# Altium PCB Archimajor.PcbDoc (part 6 of 12)
Units mm, origin at the board's own origin, x right, y up, seen from the top; angles counter-clockwise.
Board outline 190 x 140 mm, 6 copper layers (Top Layer, Top GND, Power Plane, Mid1, Bot GND, Bottom Layer), stack 1.776 mm thick; 1046 components, 682 nets, 3245 pads, 2865 vias.
Unrouted connection lines stored in the file: 97.
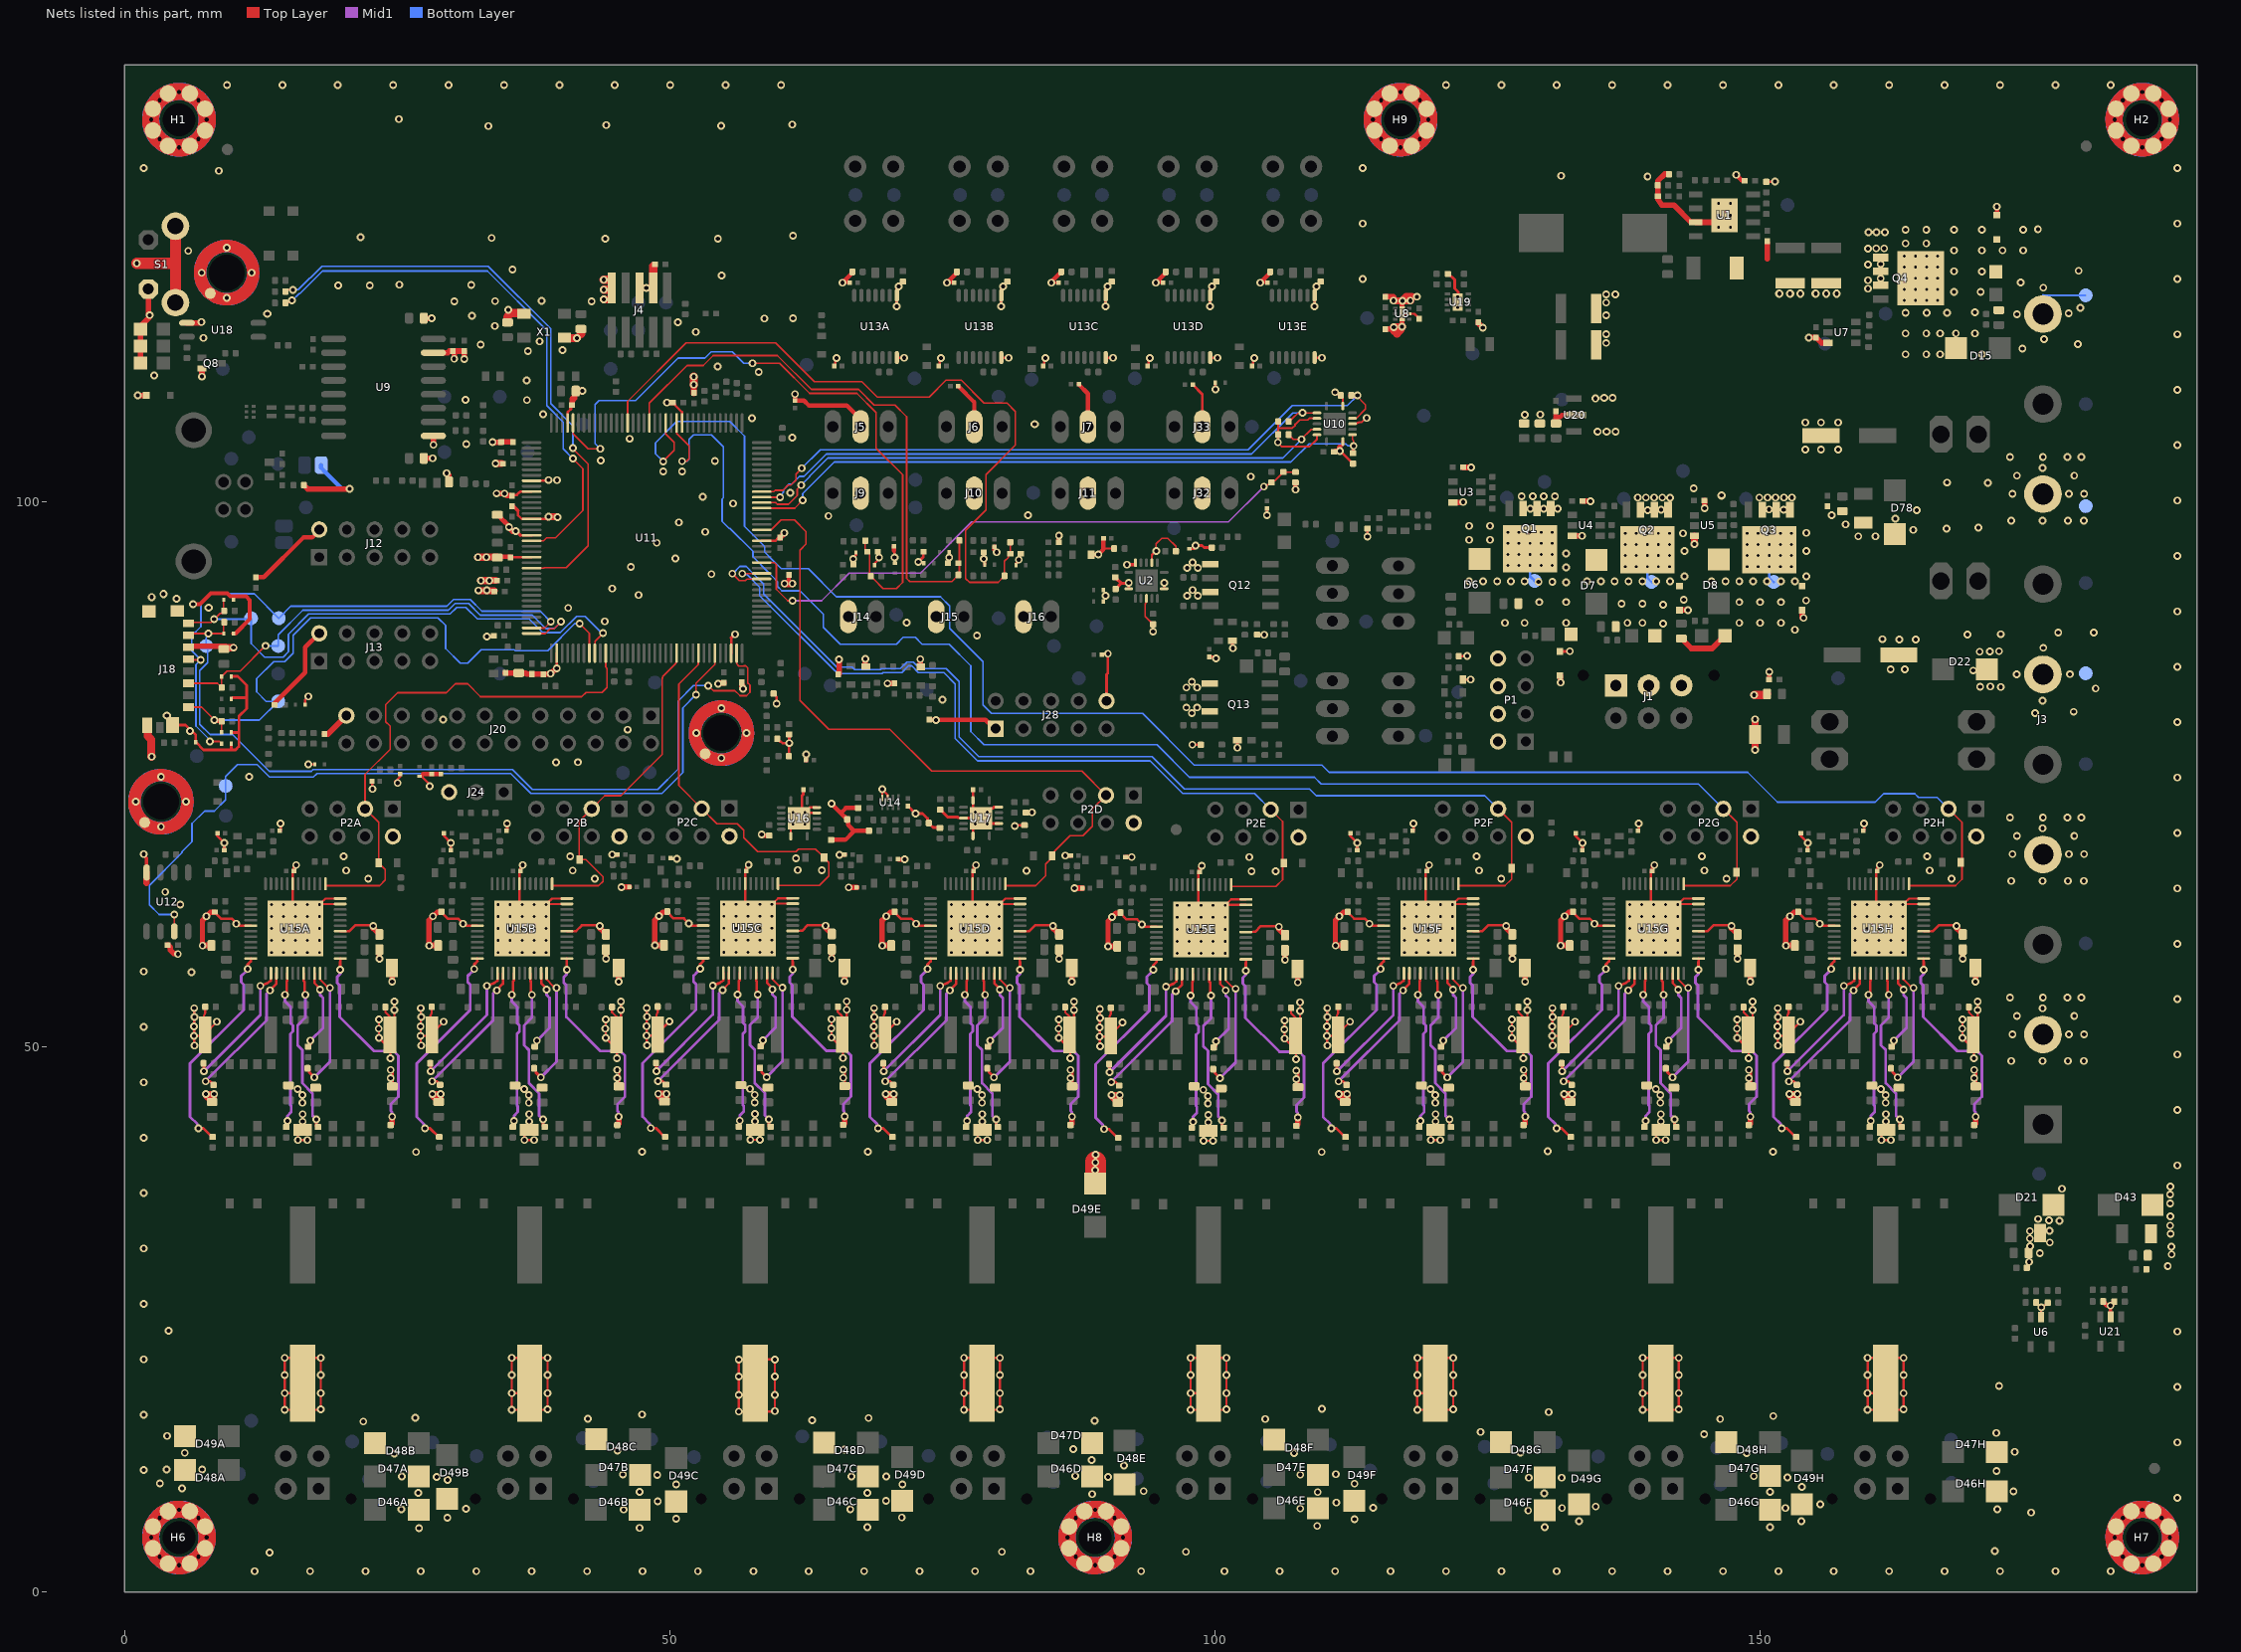
[diagram p10: the nets of this part, all layers, seen from the top]

## Via types
v1: diameter 0.711, hole 0.381, Top Layer to Bottom Layer, tented both sides, 2418 vias
v2: diameter 0.559, hole 0.254, Top Layer to Bottom Layer, 302 vias
v3: diameter 0.711, hole 0.381, Top Layer to Bottom Layer, 113 vias
v4: diameter 0.737, hole 0.381, Top Layer to Bottom Layer, tented both sides, 16 vias
v5: diameter 0.762, hole 0.381, Top Layer to Bottom Layer, 16 vias

## Nets (pads, with @x,y where several pads share a name; then routed paths per layer and width w, separated by ;. In a path a pad name is that pad's centre, name@x,y a point inside that pad or via, vN(x,y) a via of type N, cw(c..) or ccw(c..) an arc to the next point about the centre after c; other vN are vias at no path point) (continued)
GND: (continued)
  other v2: 96.515,58.56 97.615,58.56 98.715,58.56 99.815,58.56 100.915,58.56 13.482,58.635 14.582,58.635 15.682,58.635 16.782,58.635 17.882,58.635 34.257,58.635 35.357,58.635 36.457,58.635 37.557,58.635 38.657,58.635 75.807,58.635 76.907,58.635 78.007,58.635 79.107,58.635 80.207,58.635 117.357,58.635 118.457,58.635 119.557,58.635 120.657,58.635 121.757,58.635 138.008,58.635 139.108,58.635 140.208,58.635 141.308,58.635 142.408,58.635 158.658,58.635 159.758,58.635 160.858,58.635 161.958,58.635 163.058,58.635 54.965,58.66 56.065,58.66 57.165,58.66 58.265,58.66 59.365,58.66 96.515,59.66 97.615,59.66 98.715,59.66 99.815,59.66 100.915,59.66 13.482,59.735 14.582,59.735 15.682,59.735 16.782,59.735 17.882,59.735 34.257,59.735 35.357,59.735 36.457,59.735 37.557,59.735 38.657,59.735 75.807,59.735 76.907,59.735 78.007,59.735 79.107,59.735 80.207,59.735 117.357,59.735 118.457,59.735 119.557,59.735 120.657,59.735 121.757,59.735 138.008,59.735 139.108,59.735 140.208,59.735 141.308,59.735 142.408,59.735 158.658,59.735 159.758,59.735 160.858,59.735 161.958,59.735 163.058,59.735 54.965,59.76 56.065,59.76 57.165,59.76 58.265,59.76 59.365,59.76 96.515,60.76 97.615,60.76 99.815,60.76 100.915,60.76 13.482,60.835 14.582,60.835 16.782,60.835 17.882,60.835 34.257,60.835 35.357,60.835 37.557,60.835 38.657,60.835 75.807,60.835 76.907,60.835 79.107,60.835 80.207,60.835 117.357,60.835 118.457,60.835 120.657,60.835 121.757,60.835 138.008,60.835 139.108,60.835 141.308,60.835 142.408,60.835 158.658,60.835 159.758,60.835 161.958,60.835 163.058,60.835 54.965,60.86 56.065,60.86 58.265,60.86 59.365,60.86 96.515,61.86 97.615,61.86 98.715,61.86 99.815,61.86 100.915,61.86 13.482,61.935 14.582,61.935 15.682,61.935 17.882,61.935 34.257,61.935 35.357,61.935 36.457,61.935 37.557,61.935 38.657,61.935 75.807,61.935 76.907,61.935 78.007,61.935 79.107,61.935 80.207,61.935 117.357,61.935 118.457,61.935 119.557,61.935 120.657,61.935 121.757,61.935 138.008,61.935 139.108,61.935 140.208,61.935 141.308,61.935 142.408,61.935 158.658,61.935 159.758,61.935 160.858,61.935 161.958,61.935 163.058,61.935 54.965,61.96 56.065,61.96 57.165,61.96 58.265,61.96 59.365,61.96 96.515,62.96 97.615,62.96 98.715,62.96 99.815,62.96 13.482,63.035 14.582,63.035 15.682,63.035 16.782,63.035 34.257,63.035 35.357,63.035 36.457,63.035 37.557,63.035 75.807,63.035 76.907,63.035 78.007,63.035 79.107,63.035 117.357,63.035 118.457,63.035 119.557,63.035 120.657,63.035 138.008,63.035 139.108,63.035 140.208,63.035 141.308,63.035 158.658,63.035 159.758,63.035 160.858,63.035 161.958,63.035 54.965,63.06 56.065,63.06 57.165,63.06 58.265,63.06 61.293,70.384 62.393,70.384 78,70.41 79.1,70.41 61.293,71.484 62.393,71.484 79.1,71.51 122.249,117.775 122.249,118.775 146.144,125.131 147.244,125.131 146.144,126.231 147.244,126.231 146.144,127.331 147.244,127.331
  other v3: 3.35,70.16 1.05,72.46 5.65,72.46 25.05,74.185 3.35,74.76 46.128,79.065 72.962,85.531 67.941,85.56 40.683,90.232 89.942,91.335 53.825,93.335 75.618,94.859 53.243,97.209 50.831,98.07 53.031,100.429 143.868,101.185 39.649,101.944 49.387,102.751 51.13,102.743 54.143,103.709 43.663,103.747 46.304,105.74 136.717,106.381 57.531,107.62 136.442,109.506 36.887,111.076 36.987,113.776 40.174,113.869 38.062,114.676 33.971,116.075 50.743,116.434 42.83,118.336 33.989,118.355 38.235,118.389 131.716,129.848
  other v4: 6.02,78.957 3.886,80.366 74.993,81.809 4.775,91.081 2.489,91.225 3.575,91.506 82.832,98.731 135.067,106.381 135.892,106.406 83.457,107.081 134.867,109.431 135.667,109.481
  other v5: 7.722,90.246 146.426,100.544 13.1,117.201 151.729,119.048 152.704,119.048 153.654,119.048 155.054,119.048 156.029,119.048 156.979,119.048
HA1A: R164A.1 U15A.41 | length 14.5
  Top Layer w0.229: v1@14.864,55.027 14.864,56.002 14.932,56.07 U15A.41@14.932,56.735
  Top Layer w0.254: R164A.1@14.891,42.635 14.935,42.679 v1(14.935,43.193)
  Mid1 w0.254: v1(14.723,54.759) 14.723,54.165 15.049,53.839 15.24,53.648 15.24,52.154 15.443,51.951 15.443,51.403 15.215,51.175 15.215,44.635 15.291,44.559 15.291,44.012 14.935,43.656 v1(14.935,43.193)
HA1B: R164B.1 U15B.41 | length 14.5
  Top Layer w0.229: v1@35.639,55.027 35.639,56.002 35.707,56.07 U15B.41@35.707,56.735
  Top Layer w0.254: R164B.1@35.666,42.635 35.71,42.679 v1(35.71,43.193)
  Mid1 w0.254: v1(35.498,54.759) 35.498,54.165 35.824,53.839 36.015,53.648 36.015,52.154 36.218,51.951 36.218,51.403 35.99,51.175 35.99,44.635 36.066,44.559 36.066,44.012 35.71,43.656 v1(35.71,43.193)
HA1C: R164C.1 U15C.41 | length 14.5
  Top Layer w0.229: v1@56.347,55.052 56.347,56.027 56.415,56.095 U15C.41@56.415,56.76
  Top Layer w0.254: R164C.1@56.374,42.659 56.418,42.703 v1(56.418,43.218)
  Mid1 w0.254: v1(56.206,54.784) 56.206,54.189 56.532,53.863 56.723,53.672 56.723,52.178 56.926,51.975 56.926,51.428 56.697,51.199 56.697,44.66 56.774,44.584 56.774,44.036 56.418,43.681 v1(56.418,43.218)
HA1D: R164D.1 U15D.41 | length 14.5
  Top Layer w0.229: v1@77.189,55.027 77.189,56.002 77.257,56.07 U15D.41@77.257,56.735
  Top Layer w0.254: R164D.1@77.216,42.635 77.26,42.679 v1(77.26,43.193)
  Mid1 w0.254: v1(77.048,54.759) 77.048,54.165 77.374,53.839 77.565,53.648 77.565,52.154 77.768,51.951 77.768,51.403 77.54,51.175 77.54,44.635 77.616,44.559 77.616,44.012 77.26,43.656 v1(77.26,43.193)
HA1E: R164E.1 U15E.41 | length 14.5
  Top Layer w0.229: v1@97.897,54.952 97.897,55.927 97.965,55.995 U15E.41@97.965,56.66
  Top Layer w0.254: R164E.1@97.924,42.559 97.968,42.603 v1(97.968,43.118)
  Mid1 w0.254: v1(97.756,54.684) 97.756,54.089 98.082,53.763 98.273,53.572 98.273,52.078 98.476,51.875 98.476,51.328 98.247,51.099 98.247,44.56 98.324,44.484 98.324,43.936 97.968,43.581 v1(97.968,43.118)
HA1F: R164F.1 U15F.41 | length 14.5
  Top Layer w0.229: v1@118.739,55.027 118.739,56.002 118.807,56.07 U15F.41@118.807,56.735
  Top Layer w0.254: R164F.1@118.766,42.635 118.81,42.679 v1(118.81,43.193)
  Mid1 w0.254: v1(118.598,54.759) 118.598,54.165 118.924,53.839 119.115,53.648 119.115,52.154 119.318,51.951 119.318,51.403 119.09,51.175 119.09,44.635 119.166,44.559 119.166,44.012 118.81,43.656 v1(118.81,43.193)
HA1G: R164G.1 U15G.41 | length 14.5
  Top Layer w0.229: v1@139.389,55.027 139.389,56.002 139.458,56.07 U15G.41@139.458,56.735
  Top Layer w0.254: R164G.1@139.416,42.635 139.46,42.679 v1(139.46,43.193)
  Mid1 w0.254: v1(139.248,54.759) 139.248,54.165 139.574,53.839 139.765,53.648 139.765,52.154 139.968,51.951 139.968,51.403 139.74,51.175 139.74,44.635 139.816,44.559 139.816,44.012 139.46,43.656 v1(139.46,43.193)
HA1H: R164H.1 U15H.41 | length 14.5
  Top Layer w0.229: v1@160.04,55.027 160.04,56.002 160.108,56.07 U15H.41@160.108,56.735
  Top Layer w0.254: R164H.1@160.067,42.635 160.111,42.679 v1(160.111,43.193)
  Mid1 w0.254: v1(159.898,54.759) 159.898,54.165 160.224,53.839 160.415,53.648 160.415,52.154 160.619,51.951 160.619,51.403 160.39,51.175 160.39,44.635 160.466,44.559 160.466,44.012 160.111,43.656 v1(160.111,43.193)
HA2A: R165A.2 U15A.36 | length 19.9
  Top Layer w0.229: 11.582,57.824 U15A.36@11.582,58.085
  Top Layer w0.254: v1(6.775,42.51) 7.237,42.51 R165A.2@8.026,41.72 ; v1(11.295,57.129) 11.295,57.537 11.582,57.824
  Mid1 w0.254: v1@6.675,42.56 6.675,42.91 6.02,43.565 6.02,48.463 10.93,53.373 10.93,55.688 10.702,55.916 10.702,56.484 11.103,56.886 11.178,56.886 11.295,57.003 v1(11.295,57.129)
HA2B: R165B.2 U15B.36 | length 19.9
  Top Layer w0.229: 32.357,57.824 U15B.36@32.357,58.085
  Top Layer w0.254: v1(27.55,42.51) 28.012,42.51 R165B.2@28.801,41.72 ; v1(32.07,57.129) 32.07,57.537 32.357,57.824
  Mid1 w0.254: v1@27.45,42.56 27.45,42.91 26.795,43.565 26.795,48.463 31.705,53.373 31.705,55.688 31.477,55.916 31.477,56.484 31.878,56.886 31.953,56.886 32.07,57.003 v1(32.07,57.129)
HA2C: R165C.2 U15C.36 | length 19.9
  Top Layer w0.229: 53.065,57.848 U15C.36@53.065,58.11
  Top Layer w0.254: v1(48.258,42.534) 48.719,42.534 R165C.2@49.509,41.745 ; v1(52.778,57.153) 52.778,57.561 53.065,57.848
  Mid1 w0.254: v1@48.158,42.584 48.158,42.934 47.503,43.59 47.503,48.487 52.413,53.398 52.413,55.712 52.184,55.941 52.184,56.509 52.586,56.911 52.661,56.911 52.778,57.028 v1(52.778,57.153)
HA2D: R165D.2 U15D.36 | length 19.9
  Top Layer w0.229: 73.907,57.824 U15D.36@73.907,58.085
  Top Layer w0.254: v1(69.1,42.51) 69.562,42.51 R165D.2@70.351,41.72 ; v1(73.62,57.129) 73.62,57.537 73.907,57.824
  Mid1 w0.254: v1@69,42.56 69,42.91 68.345,43.565 68.345,48.463 73.255,53.373 73.255,55.688 73.027,55.916 73.027,56.484 73.428,56.886 73.503,56.886 73.62,57.003 v1(73.62,57.129)
HA2E: R165E.2 U15E.36 | length 19.9
  Top Layer w0.229: 94.615,57.748 U15E.36@94.615,58.01
  Top Layer w0.254: v1(89.808,42.434) 90.269,42.434 R165E.2@91.059,41.645 ; v1(94.328,57.053) 94.328,57.461 94.615,57.748
  Mid1 w0.254: v1@89.708,42.484 89.708,42.834 89.053,43.49 89.053,48.387 93.963,53.298 93.963,55.612 93.734,55.841 93.734,56.409 94.136,56.811 94.211,56.811 94.328,56.928 v1(94.328,57.053)
HA2F: R165F.2 U15F.36 | length 19.9
  Top Layer w0.229: 115.457,57.824 U15F.36@115.457,58.085
  Top Layer w0.254: v1(110.65,42.51) 111.112,42.51 R165F.2@111.901,41.72 ; v1(115.17,57.129) 115.17,57.537 115.457,57.824
  Mid1 w0.254: v1@110.55,42.56 110.55,42.91 109.895,43.565 109.895,48.463 114.805,53.373 114.805,55.688 114.577,55.916 114.577,56.484 114.978,56.886 115.053,56.886 115.17,57.003 v1(115.17,57.129)
HA2G: R165G.2 U15G.36 | length 19.9
  Top Layer w0.229: 136.108,57.824 U15G.36@136.108,58.085
  Top Layer w0.254: v1(131.3,42.51) 131.762,42.51 R165G.2@132.552,41.72 ; v1(135.821,57.129) 135.821,57.537 136.108,57.824
  Mid1 w0.254: v1@131.2,42.56 131.2,42.91 130.545,43.565 130.545,48.463 135.455,53.373 135.455,55.688 135.227,55.916 135.227,56.484 135.629,56.886 135.703,56.886 135.821,57.003 v1(135.821,57.129)
HA2H: R165H.2 U15H.36 | length 19.9
  Top Layer w0.229: 156.758,57.824 U15H.36@156.758,58.085
  Top Layer w0.254: v1(151.95,42.51) 152.412,42.51 R165H.2@153.202,41.72 ; v1(156.471,57.129) 156.471,57.537 156.758,57.824
  Mid1 w0.254: v1@151.85,42.56 151.85,42.91 151.195,43.565 151.195,48.463 156.106,53.373 156.106,55.688 155.877,55.916 155.877,56.484 156.279,56.886 156.354,56.886 156.471,57.003 v1(156.471,57.129)
HB1A: R110A.1 U15A.1 | length 19.1
  Top Layer w0.229: 19.782,57.773 U15A.1@19.782,58.085
  Top Layer w0.254: v1(19.782,57.05) 19.782,57.773
  Top Layer w0.508: R110A.1@24.409,42.81 24.551,42.952 v1(24.551,43.587)
  Mid1 w0.254: v1(19.782,57.05) 19.782,56.671 19.507,56.396 19.507,55.848 19.736,55.62 19.736,52.724 22.864,49.596 23.317,49.596 24.689,49.596 25.118,49.167 25.118,45.412 24.434,44.728 24.434,44.101 24.519,44.016 v1@24.519,43.81 ; v1@24.435,43.587 v1(24.551,43.587)
HB1B: R110B.1 U15B.1 | length 19.1
  Top Layer w0.229: 40.557,57.773 U15B.1@40.557,58.085
  Top Layer w0.254: v1(40.557,57.05) 40.557,57.773
  Top Layer w0.508: R110B.1@45.184,42.81 45.326,42.952 v1(45.326,43.587)
  Mid1 w0.254: v1(40.557,57.05) 40.557,56.671 40.282,56.396 40.282,55.848 40.511,55.62 40.511,52.724 43.639,49.596 44.092,49.596 45.464,49.596 45.893,49.167 45.893,45.412 45.209,44.728 45.209,44.101 45.294,44.016 v1@45.294,43.81 ; v1@45.21,43.587 v1(45.326,43.587)
HB1C: R110C.1 U15C.1 | length 19.1
  Top Layer w0.229: 61.265,57.797 U15C.1@61.265,58.11
  Top Layer w0.254: v1(61.265,57.075) 61.265,57.797
  Top Layer w0.508: R110C.1@65.892,42.834 66.034,42.976 v1(66.034,43.611)
  Mid1 w0.254: v1(61.265,57.075) 61.265,56.695 60.99,56.42 60.99,55.873 61.219,55.644 61.219,52.749 64.347,49.62 64.8,49.62 66.172,49.62 66.601,49.191 66.601,45.437 65.916,44.752 65.916,44.126 66.002,44.04 v1@66.002,43.834 ; v1@65.918,43.611 v1(66.034,43.611)
HB1D: R110D.1 U15D.1 | length 19.1
  Top Layer w0.229: 82.107,57.773 U15D.1@82.107,58.085
  Top Layer w0.254: v1(82.107,57.05) 82.107,57.773
  Top Layer w0.508: R110D.1@86.734,42.81 86.876,42.952 v1(86.876,43.587)
  Mid1 w0.254: v1(82.107,57.05) 82.107,56.671 81.832,56.396 81.832,55.848 82.061,55.62 82.061,52.724 85.189,49.596 85.642,49.596 87.014,49.596 87.443,49.167 87.443,45.412 86.759,44.728 86.759,44.101 86.844,44.016 v1@86.844,43.81 ; v1@86.76,43.587 v1(86.876,43.587)
HB1E: R110E.1 U15E.1 | length 19.1
  Top Layer w0.229: 102.815,57.697 U15E.1@102.815,58.01
  Top Layer w0.254: v1(102.815,56.975) 102.815,57.697
  Top Layer w0.508: R110E.1@107.442,42.734 107.584,42.876 v1(107.584,43.511)
  Mid1 w0.254: v1(102.815,56.975) 102.815,56.595 102.54,56.32 102.54,55.773 102.769,55.544 102.769,52.649 105.897,49.52 106.35,49.52 107.722,49.52 108.151,49.091 108.151,45.337 107.466,44.652 107.466,44.026 107.552,43.94 v1@107.552,43.734 ; v1@107.468,43.511 v1(107.584,43.511)
HB1F: R110F.1 U15F.1 | length 19.1
  Top Layer w0.229: 123.657,57.773 U15F.1@123.657,58.085
  Top Layer w0.254: v1(123.657,57.05) 123.657,57.773
  Top Layer w0.508: R110F.1@128.284,42.81 128.426,42.952 v1(128.426,43.587)
  Mid1 w0.254: v1(123.657,57.05) 123.657,56.671 123.382,56.396 123.382,55.848 123.611,55.62 123.611,52.724 126.739,49.596 127.192,49.596 128.564,49.596 128.993,49.167 128.993,45.412 128.309,44.728 128.309,44.101 128.394,44.016 v1@128.394,43.81 ; v1@128.31,43.587 v1(128.426,43.587)
HB1G: R110G.1 U15G.1 | length 19.1
  Top Layer w0.229: 144.308,57.773 U15G.1@144.308,58.085
  Top Layer w0.254: v1(144.308,57.05) 144.308,57.773
  Top Layer w0.508: R110G.1@148.935,42.81 149.076,42.952 v1(149.076,43.587)
  Mid1 w0.254: v1(144.308,57.05) 144.308,56.671 144.032,56.396 144.032,55.848 144.261,55.62 144.261,52.724 147.389,49.596 147.842,49.596 149.214,49.596 149.643,49.167 149.643,45.412 148.959,44.728 148.959,44.101 149.044,44.016 v1@149.044,43.81 ; v1@148.96,43.587 v1(149.076,43.587)
HB1H: R110H.1 U15H.1 | length 19.1
  Top Layer w0.229: 164.958,57.773 U15H.1@164.958,58.085
  Top Layer w0.254: v1(164.958,57.05) 164.958,57.773
  Top Layer w0.508: R110H.1@169.585,42.81 169.727,42.952 v1(169.727,43.587)
  Mid1 w0.254: v1(164.958,57.05) 164.958,56.671 164.683,56.396 164.683,55.848 164.911,55.62 164.911,52.724 168.039,49.596 168.493,49.596 169.864,49.596 170.294,49.167 170.294,45.412 169.609,44.728 169.609,44.101 169.694,44.016 v1@169.694,43.81 ; v1@169.61,43.587 v1(169.727,43.587)
HB2A: R111A.2 U15A.44 | length 15.2
  Top Layer w0.229: U15A.44@16.432,56.735 16.432,56.022 16.501,55.954 16.501,54.769 16.51,54.759 v1(16.58,54.759)
  Top Layer w0.254: v1(17.602,43.32) 17.602,42.685 R111A.2@17.653,42.635
  Mid1 w0.254: v1(16.58,54.759) 16.58,52.661 15.875,51.956 15.875,50.128 16.307,49.696 16.307,46.648 17.247,45.708 17.247,43.676 v1(17.602,43.32)
HB2B: R111B.2 U15B.44 | length 15.2
  Top Layer w0.229: U15B.44@37.207,56.735 37.207,56.022 37.276,55.954 37.276,54.769 37.285,54.759 v1(37.355,54.759)
  Top Layer w0.254: v1(38.377,43.32) 38.377,42.685 R111B.2@38.428,42.635
  Mid1 w0.254: v1(37.355,54.759) 37.355,52.661 36.65,51.956 36.65,50.128 37.082,49.696 37.082,46.648 38.022,45.708 38.022,43.676 v1(38.377,43.32)
HB2C: R111C.2 U15C.44 | length 15.2
  Top Layer w0.229: U15C.44@57.915,56.76 57.915,56.046 57.983,55.978 57.983,54.793 57.993,54.784 v1(58.063,54.784)
  Top Layer w0.254: v1(59.085,43.345) 59.085,42.71 R111C.2@59.136,42.659
  Mid1 w0.254: v1(58.063,54.784) 58.063,52.686 57.358,51.981 57.358,50.152 57.79,49.72 57.79,46.672 58.729,45.732 58.729,43.7 v1(59.085,43.345)
HB2D: R111D.2 U15D.44 | length 15.2
  Top Layer w0.229: U15D.44@78.757,56.735 78.757,56.022 78.826,55.954 78.826,54.769 78.835,54.759 v1(78.905,54.759)
  Top Layer w0.254: v1(79.927,43.32) 79.927,42.685 R111D.2@79.978,42.635
  Mid1 w0.254: v1(78.905,54.759) 78.905,52.661 78.2,51.956 78.2,50.128 78.632,49.696 78.632,46.648 79.572,45.708 79.572,43.676 v1(79.927,43.32)
HB2E: R111E.2 U15E.44 | length 15.2
  Top Layer w0.229: U15E.44@99.465,56.66 99.465,55.946 99.533,55.878 99.533,54.693 99.543,54.684 v1(99.613,54.684)
  Top Layer w0.254: v1(100.635,43.245) 100.635,42.61 R111E.2@100.686,42.559
  Mid1 w0.254: v1(99.613,54.684) 99.613,52.586 98.908,51.881 98.908,50.052 99.34,49.62 99.34,46.572 100.279,45.632 100.279,43.6 v1(100.635,43.245)
HB2F: R111F.2 U15F.44 | length 15.2
  Top Layer w0.229: U15F.44@120.307,56.735 120.307,56.022 120.376,55.954 120.376,54.769 120.385,54.759 v1(120.455,54.759)
  Top Layer w0.254: v1(121.477,43.32) 121.477,42.685 R111F.2@121.528,42.635
  Mid1 w0.254: v1(120.455,54.759) 120.455,52.661 119.75,51.956 119.75,50.128 120.182,49.696 120.182,46.648 121.122,45.708 121.122,43.676 v1(121.477,43.32)
HB2G: R111G.2 U15G.44 | length 15.2
  Top Layer w0.229: U15G.44@140.958,56.735 140.958,56.022 141.026,55.954 141.026,54.769 141.035,54.759 v1(141.105,54.759)
  Top Layer w0.254: v1(142.127,43.32) 142.127,42.685 R111G.2@142.178,42.635
  Mid1 w0.254: v1(141.105,54.759) 141.105,52.661 140.4,51.956 140.4,50.128 140.832,49.696 140.832,46.648 141.772,45.708 141.772,43.676 v1(142.127,43.32)
HB2H: R111H.2 U15H.44 | length 15.2
  Top Layer w0.229: U15H.44@161.608,56.735 161.608,56.022 161.676,55.954 161.676,54.769 161.685,54.759 v1(161.755,54.759)
  Top Layer w0.254: v1(162.778,43.32) 162.778,42.685 R111H.2@162.828,42.635
  Mid1 w0.254: v1(161.755,54.759) 161.755,52.661 161.05,51.956 161.05,50.128 161.482,49.696 161.482,46.648 162.422,45.708 162.422,43.676 v1(162.778,43.32)
HEAT1: R54.2 U10.2 U11.132 | length 58.9
  Top Layer w0.152: U11.132@58.429,99.388 59.312,99.388 59.321,99.378 61.459,99.378 v1(62.191,100.111) ; U10.2@112.586,106.109 112.586,105.666 112.673,105.579 112.673,105.104 v1(112.693,105.084)
  Top Layer w0.254: R54.2@112.643,104.417 112.668,104.442 112.668,105.059 v1(112.693,105.084)
  Bottom Layer w0.152: v1(62.191,100.111) 62.191,100.731 65.07,103.61 106.943,103.61 108.618,105.284 111.968,105.284 112.168,105.084 v1(112.693,105.084)
HEAT2: R39.2 U10.12 U11.133 | length 55.6
  Top Layer w0.152: U11.133@58.429,99.888 59.701,99.888 59.855,99.734 60.891,99.734 61.678,100.521 61.678,101.119 v1(62.043,101.484) ; R39.2@106.743,106.121 107.18,105.684 v1(107.918,105.684) 107.918,105.725 108.802,106.609 U10.12@109.336,106.609
  Bottom Layer w0.152: v1(62.043,101.484) 62.818,102.259 62.818,102.306 64.49,103.979 106.212,103.979 v1(107.918,105.684)
HEAT3: R29.2 U10.5 U11.135 | length 62.3
  Top Layer w0.152: U11.135@58.429,100.888 59.523,100.888 59.655,101.02 60.38,101.02 60.847,101.486 61.089,101.486 61.555,101.952 61.555,102.497 v1(62.093,103.034) ; U10.5@112.586,107.609 112.939,107.609 113.793,108.463 113.793,108.861 112.938,109.716 v1@112.932,109.723
  Top Layer w0.508: R29.2@112.472,109.723 112.479,109.716 112.938,109.716 113.036,109.716 v1(113.043,109.709)